# KiCad board backplane.kicad_pcb (continued)
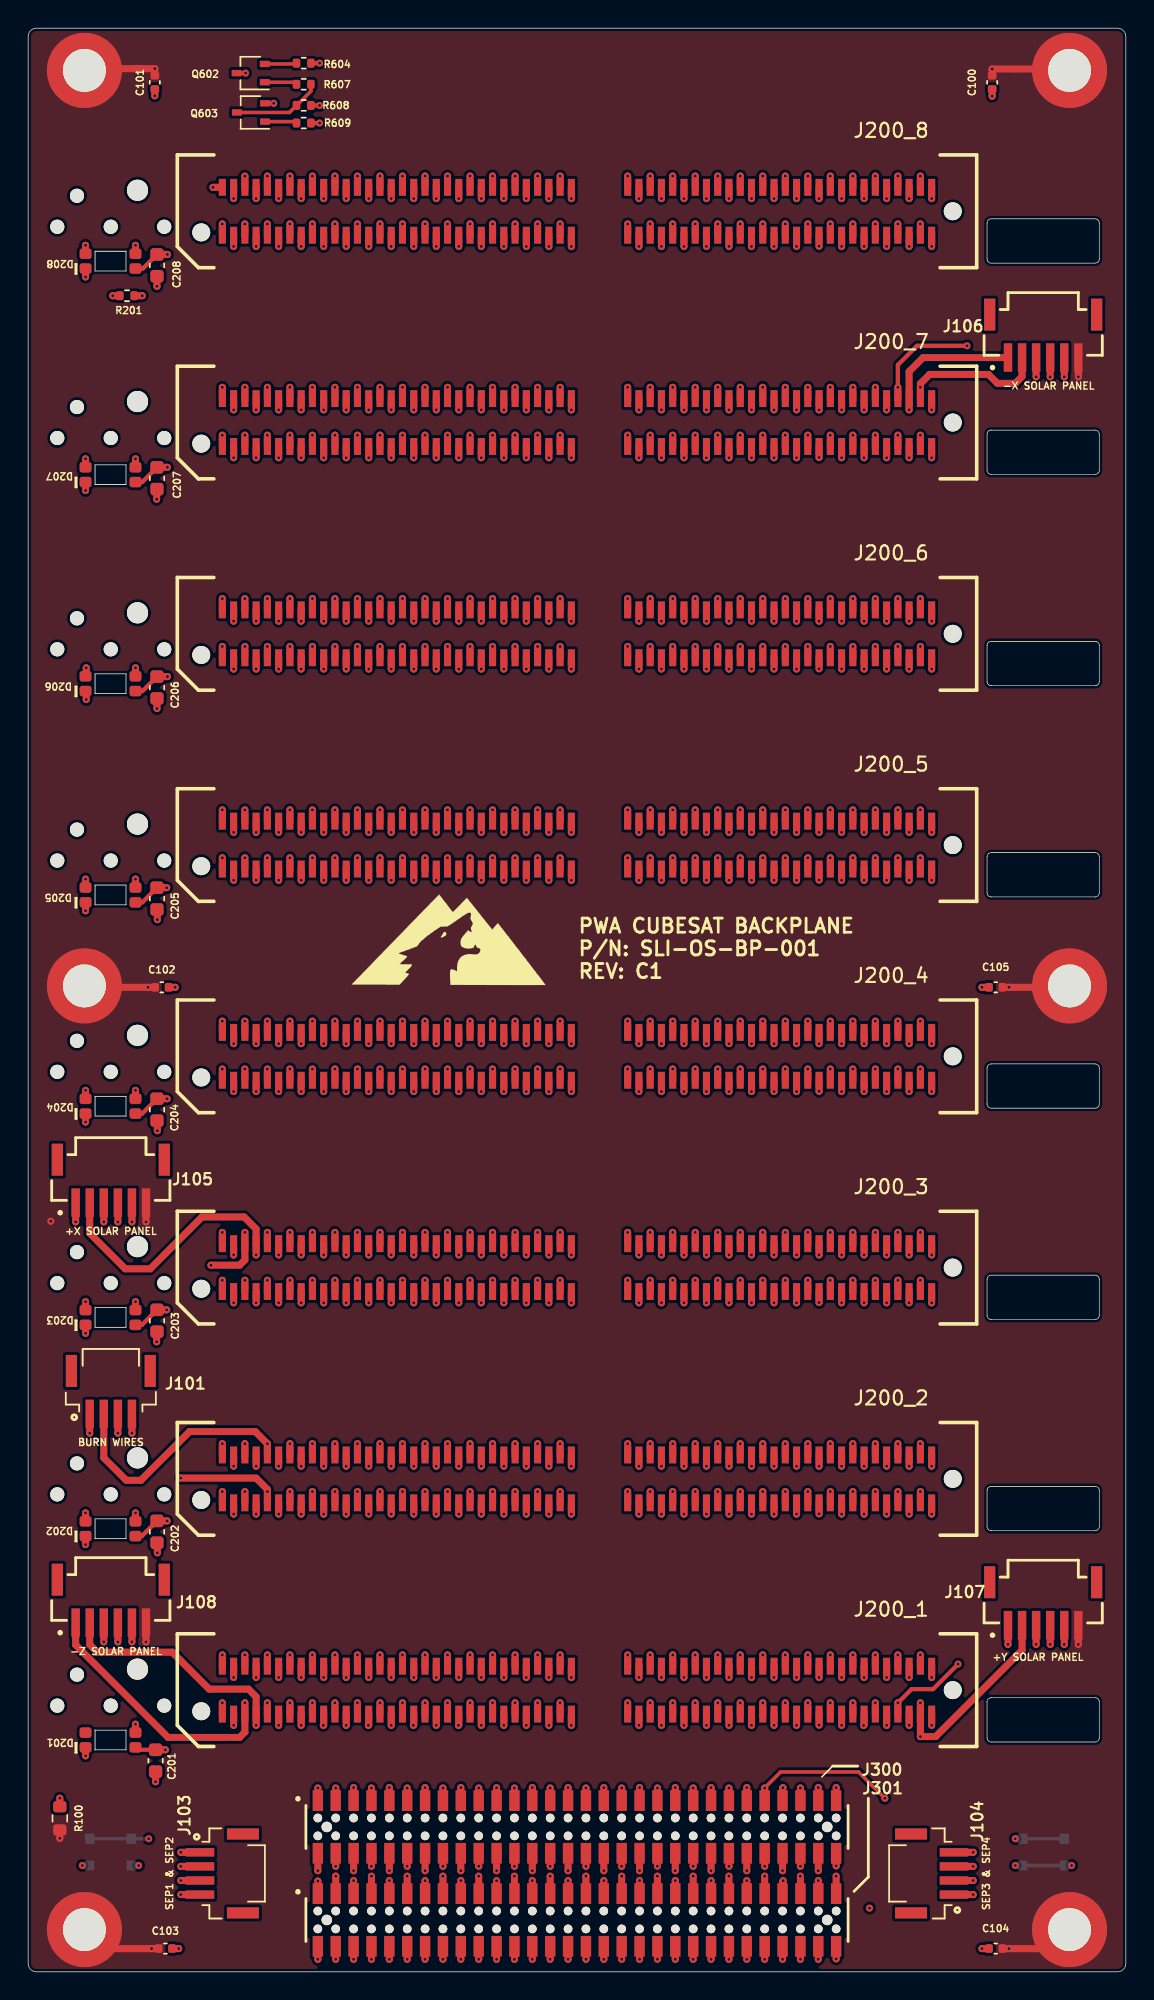
[diagram p0: board, top side]
## Routing (per net, layer and track width the routed paths; a pad name or vN(x,y) marks a point on that pad's centre or on a via; arc(x,y) is an arc through that point) (continued)
/H1-11: length 125.8
  Top w0.5: v1(25,124.1) 25,123.2 ; v1(25,19.1) 25,18.2 ; v1(25,94.1) 25,93.2 ; v1(25,64.1) 25,63.2 ; v1(25,49.1) 25,48.2 ; v1(25,109.1) 25,108.2 ; v1(25,79.1) 25,78.2 ; v1(25,34.1) 25,33.2 ; J300.15 v1(29.47,13.05)
  In1.Cu w0.25: v1(25,19.1) 25,17.17 29.12,13.05 v1(29.47,13.05)
  In1.Cu w0.5: v1(25,19.1) 25,21.3 25.8,22.1 25.8,31.5 25,32.3 v1(25,34.1) 25,36.3 25.8,37.1 25.8,46.5 ; v1(25,124.1) 25,122.3 25.8,121.5 25.8,112.1 25,111.3 v1(25,109.1) 25,107.3 25.8,106.5 25.8,97.1 25,96.3 v1(25,94.1) 25,92.3 25.8,91.5 25.8,82.1 25,81.3 v1(25,79.1) 25,77.3 25.8,76.5 25.8,67.1 25,66.3 v1(25,64.1) 25,62.3 25.8,61.5 25.8,52.1 25,51.3 v1(25,49.1) 25,47.3 25.8,46.5
/H1-12: length 134.5
  Top w0.5: v1(25,22.5) 25,21.6 ; J300.16 v1(29.47,7.49) ; v1(25,97.5) 25,96.6 ; v1(25,67.5) 25,66.6 ; v1(25,82.5) 25,81.6 ; v1(25,52.5) 25,51.6 ; v1(25,37.5) 25,36.6 ; v1(25,112.5) 25,111.6 ; v1(25,127.5) 25,126.6
  In3.Cu w0.25: v1(29.47,7.49) 28.84,8.13 28.84,15.18 26.38,17.64 26.38,17.96 25.58,18.76 25.58,19.38 25,19.95 v1(25,22.5)
  In3.Cu w0.5: v1(25,22.5) 25,32.87 25.8,33.67 25.8,34.65 25,35.5 v1(25,37.5) 25,47.87 25.8,48.67 25.8,49.65 25,50.5 v1(25,52.5) 25,62.87 25.8,63.67 25.8,64.65 25,65.5 v1(25,67.5) 25,77.87 25.8,78.67 25.8,79.65 25,80.5 v1(25,82.5) 25,92.87 25.8,93.67 25.8,94.65 25,95.5 v1(25,97.5) 25,107.87 25.8,108.67 25.8,109.65 25,110.5 v1(25,112.5) 25,122.87 25.8,123.67 25.8,124.65 25,125.5 v1(25,127.5)
/H1-13: length 125.5
  Top w0.5: v1(26.6,124.1) 26.6,123.2 ; v1(26.6,19.1) 26.6,18.2 ; J300.17 v1(30.75,13.08) ; v1(26.6,79.1) 26.6,78.2 ; v1(26.6,94.1) 26.6,93.2 ; v1(26.6,109.1) 26.6,108.2 ; v1(26.6,64.1) 26.6,63.2 ; v1(26.6,49.1) 26.6,48.2 ; v1(26.6,34.1) 26.6,33.2
  In1.Cu w0.25: v1(30.75,13.08) 26.6,17.23 v1(26.6,19.1)
  In1.Cu w0.5: 27.4,46.5 27.4,37.1 26.6,36.3 v1(26.6,34.1) 26.6,32.3 27.4,31.5 27.4,22.1 26.6,21.3 v1(26.6,19.1) ; v1(26.6,124.1) 26.6,122.3 27.4,121.5 27.4,112.1 26.6,111.3 v1(26.6,109.1) 26.6,107.3 27.4,106.5 27.4,97.1 26.6,96.3 v1(26.6,94.1) 26.6,92.3 27.4,91.5 27.4,82.1 26.6,81.3 v1(26.6,79.1) 26.6,77.3 27.4,76.5 27.4,67.1 26.6,66.3 v1(26.6,64.1) 26.6,62.3 27.4,61.5 27.4,52.1 26.6,51.3 v1(26.6,49.1) 26.6,47.3 27.4,46.5
/H1-14: length 135
  Top w0.5: v1(26.6,22.5) 26.6,21.6 ; v1(26.6,127.5) 26.6,126.6 ; v1(26.6,112.5) 26.6,111.6 ; v1(26.6,52.5) 26.6,51.6 ; v1(26.6,37.5) 26.6,36.6 ; v1(26.6,67.5) 26.6,66.6 ; v1(26.6,97.5) 26.6,96.6 ; J300.18 v1(30.75,7.18) ; v1(26.6,82.5) 26.6,81.6
  In3.Cu w0.25: v1(30.75,7.18) 30.11,7.81 30.11,15.53 27.95,17.69 27.95,18.01 27.18,18.79 27.18,19.38 26.6,19.95 v1(26.6,22.5)
  In3.Cu w0.5: v1(26.6,22.5) 26.6,32.87 27.4,33.67 27.4,34.65 26.6,35.5 v1(26.6,37.5) 26.6,47.87 27.4,48.67 27.4,49.65 26.6,50.5 v1(26.6,52.5) 26.6,62.87 27.4,63.67 27.4,64.65 26.6,65.5 v1(26.6,67.5) 26.6,77.87 27.4,78.67 27.4,79.65 26.6,80.5 v1(26.6,82.5) 26.6,92.87 27.4,93.67 27.4,94.65 26.6,95.5 v1(26.6,97.5) 26.6,107.87 27.4,108.67 27.4,109.65 26.6,110.5 v1(26.6,112.5) 26.6,122.87 27.4,123.67 27.4,124.65 26.6,125.5 v1(26.6,127.5)
/H1-16: length 134.2
  Top w0.5: v1(28.2,22.5) 28.2,21.6 ; J300.20 v1(32.02,7.49) ; v1(28.2,82.5) 28.2,81.6 ; v1(28.2,67.5) 28.2,66.6 ; v1(28.2,127.5) 28.2,126.6 ; v1(28.2,97.5) 28.2,96.6 ; v1(28.2,37.5) 28.2,36.6 ; v1(28.2,112.5) 28.2,111.6 ; v1(28.2,52.5) 28.2,51.6
  In3.Cu w0.25: v1(32.02,7.49) 31.38,8.13 31.38,15.42 29.58,17.22 29.58,18.06 28.78,18.86 28.78,19.38 28.2,19.95 v1(28.2,22.5)
  In3.Cu w0.5: v1(28.2,22.5) 28.2,32.87 29,33.67 29,34.65 28.2,35.5 v1(28.2,37.5) 28.2,47.87 29,48.67 29,49.65 28.2,50.5 v1(28.2,52.5) 28.2,62.87 29,63.67 29,64.65 28.2,65.5 v1(28.2,67.5) 28.2,77.87 29,78.67 29,79.65 28.2,80.5 v1(28.2,82.5) 28.2,92.87 29,93.67 29,94.65 28.2,95.5 v1(28.2,97.5) 28.2,107.87 29,108.67 29,109.65 28.2,110.5 v1(28.2,112.5) 28.2,122.87 29,123.67 29,124.65 28.2,125.5 v1(28.2,127.5)
/H1-17: length 125.2
  Top w0.5: v1(29.8,124.1) 29.8,123.2 ; v1(29.8,19.1) 29.8,18.2 ; v1(29.8,49.1) 29.8,48.2 ; J300.21 v1(33.28,13.07) ; v1(29.8,109.1) 29.8,108.2 ; v1(29.8,64.1) 29.8,63.2 ; v1(29.8,79.1) 29.8,78.2 ; v1(29.8,34.1) 29.8,33.2 ; v1(29.8,94.1) 29.8,93.2
  In1.Cu w0.25: v1(29.8,19.1) 29.8,16.56 v1(33.28,13.07)
  In1.Cu w0.5: v1(29.8,124.1) 29.8,122.3 30.6,121.5 30.6,112.1 29.8,111.3 v1(29.8,109.1) 29.8,107.3 30.6,106.5 30.6,97.1 29.8,96.3 v1(29.8,94.1) 29.8,92.3 30.6,91.5 30.6,82.1 29.8,81.3 v1(29.8,79.1) 29.8,77.3 30.6,76.5 30.6,67.1 29.8,66.3 v1(29.8,64.1) 29.8,62.3 30.6,61.5 30.6,52.1 29.8,51.3 v1(29.8,49.1) 29.8,47.3 30.6,46.5 ; v1(29.8,19.1) 29.8,21.3 30.6,22.1 30.6,31.5 29.8,32.3 v1(29.8,34.1) 29.8,36.3 30.6,37.1 30.6,46.5
/H1-18: length 134.7
  Top w0.5: v1(29.8,22.5) 29.8,21.6 ; v1(29.8,127.5) 29.8,126.6 ; v1(29.8,82.5) 29.8,81.6 ; v1(29.8,67.5) 29.8,66.6 ; v1(29.8,37.5) 29.8,36.6 ; v1(29.8,97.5) 29.8,96.6 ; v1(29.8,52.5) 29.8,51.6 ; J300.22 v1(33.28,7.18) ; v1(29.8,112.5) 29.8,111.6
  In3.Cu w0.25: v1(29.8,22.5) 29.8,19.95 30.38,19.38 30.38,18.75 31.19,17.94 31.19,17.66 32.65,16.19 32.65,7.81 v1(33.28,7.18)
  In3.Cu w0.5: v1(29.8,22.5) 29.8,32.87 30.6,33.67 30.6,34.65 29.8,35.5 v1(29.8,37.5) 29.8,47.87 30.6,48.67 30.6,49.65 29.8,50.5 v1(29.8,52.5) 29.8,62.87 30.6,63.67 30.6,64.65 29.8,65.5 v1(29.8,67.5) 29.8,77.87 30.6,78.67 30.6,79.65 29.8,80.5 v1(29.8,82.5) 29.8,92.87 30.6,93.67 30.6,94.65 29.8,95.5 v1(29.8,97.5) 29.8,107.87 30.6,108.67 30.6,109.65 29.8,110.5 v1(29.8,112.5) 29.8,122.87 30.6,123.67 30.6,124.65 29.8,125.5 v1(29.8,127.5)
/H1-19: length 125.1
  Top w0.5: v1(31.4,124.1) 31.4,123.2 ; v1(31.4,19.1) 31.4,18.2 ; v1(31.4,64.1) 31.4,63.2 ; J300.23 v1(34.56,13.05) ; v1(31.4,79.1) 31.4,78.2 ; v1(31.4,34.1) 31.4,33.2 ; v1(31.4,94.1) 31.4,93.2 ; v1(31.4,109.1) 31.4,108.2 ; v1(31.4,49.1) 31.4,48.2
  In1.Cu w0.25: v1(34.56,13.05) 31.4,16.2 v1(31.4,19.1)
  In1.Cu w0.5: v1(31.4,124.1) 31.4,122.3 32.2,121.5 32.2,112.1 31.4,111.3 v1(31.4,109.1) 31.4,107.3 32.2,106.5 32.2,97.1 31.4,96.3 v1(31.4,94.1) 31.4,92.3 32.2,91.5 32.2,82.1 31.4,81.3 v1(31.4,79.1) 31.4,77.3 32.2,76.5 32.2,67.1 31.4,66.3 v1(31.4,64.1) 31.4,62.3 32.2,61.5 32.2,52.1 31.4,51.3 v1(31.4,49.1) 31.4,47.3 32.2,46.5 ; v1(31.4,19.1) 31.4,21.3 32.2,22.1 32.2,31.5 31.4,32.3 v1(31.4,34.1) 31.4,36.3 32.2,37.1 32.2,46.5
/H1-20: length 134
  Top w0.5: v1(31.4,22.5) 31.4,21.6 ; J300.24 v1(34.56,7.49) ; v1(31.4,67.5) 31.4,66.6 ; v1(31.4,127.5) 31.4,126.6 ; v1(31.4,97.5) 31.4,96.6 ; v1(31.4,112.5) 31.4,111.6 ; v1(31.4,52.5) 31.4,51.6 ; v1(31.4,37.5) 31.4,36.6 ; v1(31.4,82.5) 31.4,81.6
  In3.Cu w0.25: v1(31.4,22.5) 31.4,19.95 31.98,19.38 31.98,18.83 32.78,18.03 32.78,17.67 33.92,16.53 33.92,8.13 v1(34.56,7.49)
  In3.Cu w0.5: v1(31.4,22.5) 31.4,32.87 32.2,33.67 32.2,34.65 31.4,35.5 v1(31.4,37.5) 31.4,47.87 32.2,48.67 32.2,49.65 31.4,50.5 v1(31.4,52.5) 31.4,62.87 32.2,63.67 32.2,64.65 31.4,65.5 v1(31.4,67.5) 31.4,77.87 32.2,78.67 32.2,79.65 31.4,80.5 v1(31.4,82.5) 31.4,92.87 32.2,93.67 32.2,94.65 31.4,95.5 v1(31.4,97.5) 31.4,107.87 32.2,108.67 32.2,109.65 31.4,110.5 v1(31.4,112.5) 31.4,122.87 32.2,123.67 32.2,124.65 31.4,125.5 v1(31.4,127.5)
/H1-21: length 124.9
  Top w0.5: v1(33,19.1) 33,18.2 ; v1(33,34.1) 33,33.2 ; v1(33,49.1) 33,48.2 ; J300.25 v1(35.83,13.08) ; v1(33,94.1) 33,93.2 ; v1(33,124.1) 33,123.2 ; v1(33,79.1) 33,78.2 ; v1(33,109.1) 33,108.2 ; v1(33,64.1) 33,63.2
  In1.Cu w0.25: v1(35.83,13.08) 33,15.91 v1(33,19.1)
  In1.Cu w0.5: v1(33,124.1) 33,122.3 33.8,121.5 33.8,112.1 33,111.3 v1(33,109.1) 33,107.3 33.8,106.5 33.8,97.1 33,96.3 v1(33,94.1) 33,92.3 33.8,91.5 33.8,82.1 33,81.3 v1(33,79.1) 33,77.3 33.8,76.5 33.8,67.1 33,66.3 v1(33,64.1) 33,62.3 33.8,61.5 33.8,52.1 33,51.3 v1(33,49.1) 33,47.3 33.8,46.5 ; v1(33,19.1) 33,21.3 33.8,22.1 33.8,31.5 33,32.3 v1(33,34.1) 33,36.3 33.8,37.1 33.8,46.5
/H1-22: length 134.5
  Top w0.5: v1(33,22.5) 33,21.6 ; v1(33,37.5) 33,36.6 ; v1(33,127.5) 33,126.6 ; v1(33,52.5) 33,51.6 ; v1(33,82.5) 33,81.6 ; v1(33,112.5) 33,111.6 ; v1(33,67.5) 33,66.6 ; J300.26 v1(35.83,7.18) ; v1(33,97.5) 33,96.6
  In3.Cu w0.25: v1(33,22.5) 33,19.95 33.58,19.38 33.58,18.96 34.38,18.16 34.38,17.64 35.19,16.83 35.19,7.81 v1(35.83,7.18)
  In3.Cu w0.5: v1(33,22.5) 33,32.87 33.8,33.67 33.8,34.65 33,35.5 v1(33,37.5) 33,47.87 33.8,48.67 33.8,49.65 33,50.5 v1(33,52.5) 33,62.87 33.8,63.67 33.8,64.65 33,65.5 v1(33,67.5) 33,77.87 33.8,78.67 33.8,79.65 33,80.5 v1(33,82.5) 33,92.87 33.8,93.67 33.8,94.65 33,95.5 v1(33,97.5) 33,107.87 33.8,108.67 33.8,109.65 33,110.5 v1(33,112.5) 33,122.87 33.8,123.67 33.8,124.65 33,125.5 v1(33,127.5)
/H1-23: length 124.8
  Top w0.5: v1(34.6,19.1) 34.6,18.2 ; v1(34.6,124.1) 34.6,123.2 ; v1(34.6,79.1) 34.6,78.2 ; v1(34.6,49.1) 34.6,48.2 ; J300.27 v1(37.09,13.05) ; v1(34.6,109.1) 34.6,108.2 ; v1(34.6,34.1) 34.6,33.2 ; v1(34.6,94.1) 34.6,93.2 ; v1(34.6,64.1) 34.6,63.2
  In1.Cu w0.25: v1(37.09,13.05) 34.6,15.54 v1(34.6,19.1)
  In1.Cu w0.5: 35.4,46.5 35.4,37.1 34.6,36.3 v1(34.6,34.1) 34.6,32.3 35.4,31.5 35.4,22.1 34.6,21.3 v1(34.6,19.1) ; v1(34.6,124.1) 34.6,122.3 35.4,121.5 35.4,112.1 34.6,111.3 v1(34.6,109.1) 34.6,107.3 35.4,106.5 35.4,97.1 34.6,96.3 v1(34.6,94.1) 34.6,92.3 35.4,91.5 35.4,82.1 34.6,81.3 v1(34.6,79.1) 34.6,77.3 35.4,76.5 35.4,67.1 34.6,66.3 v1(34.6,64.1) 34.6,62.3 35.4,61.5 35.4,52.1 34.6,51.3 v1(34.6,49.1) 34.6,47.3 35.4,46.5
/H1-24: length 133.7
  Top w0.5: v1(34.6,22.5) 34.6,21.6 ; J300.28 v1(37.09,7.49) ; v1(34.6,52.5) 34.6,51.6 ; v1(34.6,82.5) 34.6,81.6 ; v1(34.6,67.5) 34.6,66.6 ; v1(34.6,97.5) 34.6,96.6 ; v1(34.6,112.5) 34.6,111.6 ; v1(34.6,37.5) 34.6,36.6 ; v1(34.6,127.5) 34.6,126.6
  In3.Cu w0.25: v1(37.09,7.49) 36.46,8.13 36.46,17.3 35.18,18.58 35.18,19.38 34.6,19.95 v1(34.6,22.5)
  In3.Cu w0.5: v1(34.6,22.5) 34.6,32.87 35.4,33.67 35.4,34.65 34.6,35.5 v1(34.6,37.5) 34.6,47.87 35.4,48.67 35.4,49.65 34.6,50.5 v1(34.6,52.5) 34.6,62.87 35.4,63.67 35.4,64.65 34.6,65.5 v1(34.6,67.5) 34.6,77.87 35.4,78.67 35.4,79.65 34.6,80.5 v1(34.6,82.5) 34.6,92.87 35.4,93.67 35.4,94.65 34.6,95.5 v1(34.6,97.5) 34.6,107.87 35.4,108.67 35.4,109.65 34.6,110.5 v1(34.6,112.5) 34.6,122.87 35.4,123.67 35.4,124.65 34.6,125.5 v1(34.6,127.5)
/H1-25: length 124.9
  Top w0.5: v1(36.2,124.1) 36.2,123.2 ; v1(36.2,19.1) 36.2,18.2 ; v1(36.2,49.1) 36.2,48.2 ; v1(36.2,94.1) 36.2,93.2 ; J300.29 v1(38.36,13.08) ; v1(36.2,109.1) 36.2,108.2 ; v1(36.2,34.1) 36.2,33.2 ; v1(36.2,64.1) 36.2,63.2 ; v1(36.2,79.1) 36.2,78.2
  In1.Cu w0.25: v1(36.2,19.1) 36.2,15.25 v1(38.36,13.08)
  In1.Cu w0.5: 36.2,49.15 36.2,46.78 37,45.98 37,37.1 36.2,36.3 v1(36.2,34.1) 36.2,31.73 37,30.93 37,22.1 36.2,21.3 v1(36.2,19.1) ; 36.2,64.17 36.2,61.81 37,61.01 37,52.1 36.2,51.3 v1(36.2,49.1) ; 36.2,109.12 36.2,106.76 37,105.96 37,97.1 36.2,96.3 v1(36.2,94.1) ; v1(36.2,109.1) 36.2,111.3 37,112.1 37,120.93 36.2,121.73 v1(36.2,124.1) ; 36.2,79.2 36.2,76.83 37,76.03 37,67.1 36.2,66.3 v1(36.2,64.1) ; 36.2,94.12 36.2,91.76 37,90.96 37,82.1 36.2,81.3 v1(36.2,79.1)
/H1-26: length 134.2
  Top w0.5: v1(36.2,127.5) 36.2,126.6 ; v1(36.2,22.5) 36.2,21.6 ; J300.30 v1(38.36,7.18) ; v1(36.2,37.5) 36.2,36.6 ; v1(36.2,82.5) 36.2,81.6 ; v1(36.2,52.5) 36.2,51.6 ; v1(36.2,67.5) 36.2,66.6 ; v1(36.2,97.5) 36.2,96.6 ; v1(36.2,112.5) 36.2,111.6
  In3.Cu w0.25: v1(36.2,22.5) 36.2,19.95 36.78,19.38 36.78,18.8 37.73,17.84 37.73,7.81 v1(38.36,7.18)
  In3.Cu w0.5: v1(36.2,22.5) 36.2,32.87 37,33.67 37,34.65 36.2,35.5 v1(36.2,37.5) 36.2,47.87 37,48.67 37,49.65 36.2,50.5 v1(36.2,52.5) 36.2,62.87 37,63.67 37,64.65 36.2,65.5 v1(36.2,67.5) 36.2,77.87 37,78.67 37,79.65 36.2,80.5 v1(36.2,82.5) 36.2,92.87 37,93.67 37,94.65 36.2,95.5 v1(36.2,97.5) 36.2,107.87 37,108.67 37,109.65 36.2,110.5 v1(36.2,112.5) 36.2,122.87 37,123.67 37,124.65 36.2,125.5 v1(36.2,127.5)
/H1-27: length 124.8
  Top w0.5: v1(37.8,124.1) 37.8,123.2 ; v1(37.8,19.1) 37.8,18.2 ; v1(37.8,34.1) 37.8,33.2 ; v1(37.8,109.1) 37.8,108.2 ; v1(37.8,79.1) 37.8,78.2 ; v1(37.8,94.1) 37.8,93.2 ; v1(37.8,64.1) 37.8,63.2 ; v1(37.8,49.1) 37.8,48.2 ; J300.31 v1(39.64,13.05)
  In1.Cu w0.25: v1(39.64,13.05) 37.8,14.88 v1(37.8,19.1)
  In1.Cu w0.5: 37.8,49.15 37.8,46.58 38.6,45.78 38.6,37.1 37.8,36.3 v1(37.8,34.1) 37.8,31.53 38.6,30.73 38.6,22.1 37.8,21.3 v1(37.8,19.1) ; v1(37.8,79.1) 37.8,81.3 38.6,82.1 38.6,90.76 37.8,91.56 37.8,94.12 ; 37.8,64.17 37.8,61.61 38.6,60.81 38.6,52.1 37.8,51.3 v1(37.8,49.1) ; 37.8,79.2 37.8,76.63 38.6,75.83 38.6,67.1 37.8,66.3 v1(37.8,64.1) ; 37.8,109.12 37.8,106.56 38.6,105.76 38.6,97.1 37.8,96.3 v1(37.8,94.1) ; v1(37.8,124.1) 37.8,121.53 38.6,120.73 38.6,112.1 37.8,111.3 v1(37.8,109.1)
/H1-28: length 133.6
  Top w0.5: v1(37.8,22.5) 37.8,21.6 ; J300.32 v1(39.64,7.49) ; v1(37.8,97.5) 37.8,96.6 ; v1(37.8,112.5) 37.8,111.6 ; v1(37.8,127.5) 37.8,126.6 ; v1(37.8,37.5) 37.8,36.6 ; v1(37.8,82.5) 37.8,81.6 ; v1(37.8,67.5) 37.8,66.6 ; v1(37.8,52.5) 37.8,51.6
  In3.Cu w0.25: v1(37.8,22.5) 37.8,19.95 39.18,18.58 39.18,17.22 39,17.04 39,8.13 v1(39.64,7.49)
  In3.Cu w0.5: v1(37.8,22.5) 37.8,32.87 38.6,33.67 38.6,34.65 37.8,35.5 v1(37.8,37.5) 37.8,47.87 38.6,48.67 38.6,49.65 37.8,50.5 v1(37.8,52.5) 37.8,62.87 38.6,63.67 38.6,64.65 37.8,65.5 v1(37.8,67.5) 37.8,77.87 38.6,78.67 38.6,79.65 37.8,80.5 v1(37.8,82.5) 37.8,92.87 38.6,93.67 38.6,94.65 37.8,95.5 v1(37.8,97.5) 37.8,107.87 38.6,108.67 38.6,109.65 37.8,110.5 v1(37.8,112.5) 37.8,122.87 38.6,123.67 38.6,124.65 37.8,125.5 v1(37.8,127.5)
/H1-30: length 135
  Top w0.5: v1(42.6,22.5) 42.6,21.6 ; v1(42.6,97.5) 42.6,96.6 ; J300.34 v1(40.91,7.18) ; v1(42.6,37.5) 42.6,36.6 ; v1(42.6,67.5) 42.6,66.6 ; v1(42.6,112.5) 42.6,111.6 ; v1(42.6,127.5) 42.6,126.6 ; v1(42.6,52.5) 42.6,51.6 ; v1(42.6,82.5) 42.6,81.6
  In3.Cu w0.25: v1(42.6,22.5) 42.6,19.95 43.18,19.38 43.18,18.18 40.27,15.27 40.27,7.81 v1(40.91,7.18)
  In3.Cu w0.5: v1(42.6,22.5) 42.6,32.87 43.4,33.67 43.4,34.65 42.6,35.5 v1(42.6,37.5) 42.6,47.87 43.4,48.67 43.4,49.65 42.6,50.5 v1(42.6,52.5) 42.6,62.87 43.4,63.67 43.4,64.65 42.6,65.5 v1(42.6,67.5) 42.6,77.87 43.4,78.67 43.4,79.65 42.6,80.5 v1(42.6,82.5) 42.6,92.87 43.4,93.67 43.4,94.65 42.6,95.5 v1(42.6,97.5) 42.6,107.87 43.4,108.67 43.4,109.65 42.6,110.5 v1(42.6,112.5) 42.6,122.87 43.4,123.67 43.4,124.65 42.6,125.5 v1(42.6,127.5)
/H1-31: length 124.6
  Top w0.5: v1(44.2,19.1) 44.2,18.2 ; v1(44.2,49.1) 44.2,48.2 ; v1(44.2,124.1) 44.2,123.2 ; v1(44.2,94.1) 44.2,93.2 ; v1(44.2,64.1) 44.2,63.2 ; v1(44.2,34.1) 44.2,33.2 ; J300.35 v1(42.17,13.05) ; v1(44.2,79.1) 44.2,78.2 ; v1(44.2,109.1) 44.2,108.2
  In1.Cu w0.25: v1(44.2,19.1) 44.2,15.07 v1(42.17,13.05)
  In1.Cu w0.5: v1(44.2,19.1) 44.2,21.3 45,22.1 45,31.5 44.2,32.3 v1(44.2,34.1) 44.2,36.3 45,37.1 45,46.5 ; v1(44.2,124.1) 44.2,122.3 45,121.5 45,112.1 44.2,111.3 v1(44.2,109.1) 44.2,107.3 45,106.5 45,97.1 44.2,96.3 v1(44.2,94.1) 44.2,92.3 45,91.5 45,82.1 44.2,81.3 v1(44.2,79.1) 44.2,77.3 45,76.5 45,67.1 44.2,66.3 v1(44.2,64.1) 44.2,62.3 45,61.5 45,52.1 44.2,51.3 v1(44.2,49.1) 44.2,47.3 45,46.5
/H1-33: length 124.7
  Top w0.5: v1(45.8,19.1) 45.8,18.2 ; v1(45.8,34.1) 45.8,33.2 ; v1(45.8,79.1) 45.8,78.2 ; v1(45.8,49.1) 45.8,48.2 ; v1(45.8,64.1) 45.8,63.2 ; J300.37 v1(43.44,13.08) ; v1(45.8,94.1) 45.8,93.2 ; v1(45.8,124.1) 45.8,123.2 ; v1(45.8,109.1) 45.8,108.2
  In1.Cu w0.25: v1(45.8,19.1) 45.8,15.44 v1(43.44,13.08)
  In1.Cu w0.5: 46.6,46.5 45.8,47.3 v1(45.8,49.1) 45.8,51.3 46.6,52.1 46.6,61.5 45.8,62.3 v1(45.8,64.1) 45.8,66.3 46.6,67.1 46.6,76.5 45.8,77.3 v1(45.8,79.1) 45.8,81.3 46.6,82.1 46.6,91.5 45.8,92.3 v1(45.8,94.1) 45.8,96.3 46.6,97.1 46.6,106.5 45.8,107.3 v1(45.8,109.1) 45.8,111.3 46.6,112.1 46.6,121.5 45.8,122.3 v1(45.8,124.1) ; v1(45.8,19.1) 45.8,21.3 46.6,22.1 46.6,31.5 45.8,32.3 v1(45.8,34.1) 45.8,36.3 46.6,37.1 46.6,46.5
/H1-34: length 135.3
  Top w0.5: v1(45.8,22.5) 45.8,21.6 ; v1(45.8,67.5) 45.8,66.6 ; v1(45.8,127.5) 45.8,126.6 ; v1(45.8,52.5) 45.8,51.6 ; v1(45.8,97.5) 45.8,96.6 ; v1(45.8,37.5) 45.8,36.6 ; v1(45.8,112.5) 45.8,111.6 ; v1(45.8,82.5) 45.8,81.6 ; J300.38 v1(43.44,7.18)
  In3.Cu w0.25: v1(45.8,22.5) 45.8,19.95 46.38,19.38 46.38,18.62 46.02,18.26 46.02,17.67 42.81,14.46 42.81,7.81 v1(43.44,7.18)
  In3.Cu w0.5: v1(45.8,22.5) 45.8,32.87 46.6,33.67 46.6,34.65 45.8,35.5 v1(45.8,37.5) 45.8,47.87 46.6,48.67 46.6,49.65 45.8,50.5 v1(45.8,52.5) 45.8,62.87 46.6,63.67 46.6,64.65 45.8,65.5 v1(45.8,67.5) 45.8,77.87 46.6,78.67 46.6,79.65 45.8,80.5 v1(45.8,82.5) 45.8,92.87 46.6,93.67 46.6,94.65 45.8,95.5 v1(45.8,97.5) 45.8,107.87 46.6,108.67 46.6,109.65 45.8,110.5 v1(45.8,112.5) 45.8,122.87 46.6,123.67 46.6,124.65 45.8,125.5 v1(45.8,127.5)
/H1-35: length 124.9
  Top w0.5: v1(47.4,19.1) 47.4,18.2 ; v1(47.4,49.1) 47.4,48.2 ; v1(47.4,94.1) 47.4,93.2 ; v1(47.4,64.1) 47.4,63.2 ; v1(47.4,79.1) 47.4,78.2 ; v1(47.4,109.1) 47.4,108.2 ; v1(47.4,124.1) 47.4,123.2 ; v1(47.4,34.1) 47.4,33.2 ; J300.39 v1(44.72,13.05)
  In1.Cu w0.25: v1(44.72,13.05) 47.4,15.73 v1(47.4,19.1)
  In1.Cu w0.5: 48.2,46.5 48.2,37.1 47.4,36.3 v1(47.4,34.1) 47.4,32.3 48.2,31.5 48.2,22.1 47.4,21.3 v1(47.4,19.1) ; 48.2,46.5 47.4,47.3 v1(47.4,49.1) 47.4,51.3 48.2,52.1 48.2,61.5 47.4,62.3 v1(47.4,64.1) 47.4,66.3 48.2,67.1 48.2,76.5 47.4,77.3 v1(47.4,79.1) 47.4,81.3 48.2,82.1 48.2,91.5 47.4,92.3 v1(47.4,94.1) 47.4,96.3 48.2,97.1 48.2,106.5 47.4,107.3 v1(47.4,109.1) 47.4,111.3 48.2,112.1 48.2,121.5 47.4,122.3 v1(47.4,124.1)
/H1-36: length 134.8
  Top w0.5: v1(47.4,22.5) 47.4,21.6 ; J300.40 v1(44.72,7.5) ; v1(47.4,82.5) 47.4,81.6 ; v1(47.4,37.5) 47.4,36.6 ; v1(47.4,97.5) 47.4,96.6 ; v1(47.4,67.5) 47.4,66.6 ; v1(47.4,127.5) 47.4,126.6 ; v1(47.4,112.5) 47.4,111.6 ; v1(47.4,52.5) 47.4,51.6
  In3.Cu w0.25: v1(47.4,22.5) 47.4,19.95 47.98,19.38 47.98,18.63 47.62,18.27 47.62,17.67 44.08,14.12 44.08,8.13 44.72,7.49
  In3.Cu w0.5: v1(47.4,22.5) 47.4,32.87 48.2,33.67 48.2,34.65 47.4,35.5 v1(47.4,37.5) 47.4,47.87 48.2,48.67 48.2,49.65 47.4,50.5 v1(47.4,52.5) 47.4,62.87 48.2,63.67 48.2,64.65 47.4,65.5 v1(47.4,67.5) 47.4,77.87 48.2,78.67 48.2,79.65 47.4,80.5 v1(47.4,82.5) 47.4,92.87 48.2,93.67 48.2,94.65 47.4,95.5 v1(47.4,97.5) 47.4,107.87 48.2,108.67 48.2,109.65 47.4,110.5 v1(47.4,112.5) 47.4,122.87 48.2,123.67 48.2,124.65 47.4,125.5 v1(47.4,127.5)
/H1-37: length 125
  Top w0.5: v1(49,19.1) 49,18.2 ; v1(49,94.1) 49,93.2 ; v1(49,64.1) 49,63.2 ; v1(49,34.1) 49,33.2 ; v1(49,109.1) 49,108.2 ; J300.41 v1(45.98,13.08) ; v1(49,79.1) 49,78.2 ; v1(49,49.1) 49,48.2 ; v1(49,124.1) 49,123.2
  In1.Cu w0.25: v1(45.98,13.08) 49,16.1 v1(49,19.1)
  In1.Cu w0.5: 49.8,46.5 49.8,37.1 49,36.3 v1(49,34.1) 49,32.3 49.8,31.5 49.8,22.1 49,21.3 v1(49,19.1) ; v1(49,124.1) 49,122.3 49.8,121.5 49.8,112.1 49,111.3 v1(49,109.1) 49,107.3 49.8,106.5 49.8,97.1 49,96.3 v1(49,94.1) 49,92.3 49.8,91.5 49.8,82.1 49,81.3 v1(49,79.1) 49,77.3 49.8,76.5 49.8,67.1 49,66.3 v1(49,64.1) 49,62.3 49.8,61.5 49.8,52.1 49,51.3 v1(49,49.1) 49,47.3 49.8,46.5
/H1-38: length 135.5
  Top w0.5: v1(49,22.5) 49,21.6 ; v1(49,97.5) 49,96.6 ; v1(49,82.5) 49,81.6 ; v1(49,37.5) 49,36.6 ; v1(49,112.5) 49,111.6 ; J300.42 v1(45.98,7.18) ; v1(49,52.5) 49,51.6 ; v1(49,67.5) 49,66.6 ; v1(49,127.5) 49,126.6
  In3.Cu w0.25: v1(49,22.5) 49,19.95 49.58,19.38 49.58,18.64 49.22,18.29 49.22,17.67 45.35,13.8 45.35,7.81 v1(45.98,7.18)
  In3.Cu w0.5: v1(49,22.5) 49,32.87 49.8,33.67 49.8,34.65 49,35.5 v1(49,37.5) 49,47.87 49.8,48.67 49.8,49.65 49,50.5 v1(49,52.5) 49,62.87 49.8,63.67 49.8,64.65 49,65.5 v1(49,67.5) 49,77.87 49.8,78.67 49.8,79.65 49,80.5 v1(49,82.5) 49,92.87 49.8,93.67 49.8,94.65 49,95.5 v1(49,97.5) 49,107.87 49.8,108.67 49.8,109.65 49,110.5 v1(49,112.5) 49,122.87 49.8,123.67 49.8,124.65 49,125.5 v1(49,127.5)
/H1-39: length 125.2
  Top w0.5: v1(50.6,19.1) 50.6,18.2 ; v1(50.6,49.1) 50.6,48.2 ; v1(50.6,64.1) 50.6,63.2 ; v1(50.6,34.1) 50.6,33.2 ; v1(50.6,124.1) 50.6,123.2 ; v1(50.6,79.1) 50.6,78.2 ; v1(50.6,109.1) 50.6,108.2 ; v1(50.6,94.1) 50.6,93.2 ; J300.43 v1(47.25,13.05)
  In1.Cu w0.25: v1(47.25,13.05) 50.6,16.39 v1(50.6,19.1)
  In1.Cu w0.5: 51.4,46.5 50.6,47.3 v1(50.6,49.1) 50.6,51.3 51.4,52.1 51.4,61.5 50.6,62.3 v1(50.6,64.1) 50.6,66.3 51.4,67.1 51.4,76.5 50.6,77.3 v1(50.6,79.1) 50.6,81.3 51.4,82.1 51.4,91.5 50.6,92.3 v1(50.6,94.1) 50.6,96.3 51.4,97.1 51.4,106.5 50.6,107.3 v1(50.6,109.1) 50.6,111.3 51.4,112.1 51.4,121.5 50.6,122.3 v1(50.6,124.1) ; v1(50.6,19.1) 50.6,21.3 51.4,22.1 51.4,31.5 50.6,32.3 v1(50.6,34.1) 50.6,36.3 51.4,37.1 51.4,46.5
/H1-40: length 135.1
  Top w0.5: v1(50.6,22.5) 50.6,21.6 ; J300.44 v1(47.25,7.49) ; v1(50.6,127.5) 50.6,126.6 ; v1(50.6,67.5) 50.6,66.6 ; v1(50.6,112.5) 50.6,111.6 ; v1(50.6,37.5) 50.6,36.6 ; v1(50.6,82.5) 50.6,81.6 ; v1(50.6,52.5) 50.6,51.6 ; v1(50.6,97.5) 50.6,96.6
  In3.Cu w0.25: v1(50.6,22.5) 50.6,19.95 51.18,19.38 51.18,18.66 50.82,18.3 50.82,17.47 46.62,13.27 46.62,8.13 v1(47.25,7.49)
  In3.Cu w0.5: v1(50.6,22.5) 50.6,32.87 51.4,33.67 51.4,34.65 50.6,35.5 v1(50.6,37.5) 50.6,47.87 51.4,48.67 51.4,49.65 50.6,50.5 v1(50.6,52.5) 50.6,62.87 51.4,63.67 51.4,64.65 50.6,65.5 v1(50.6,67.5) 50.6,77.87 51.4,78.67 51.4,79.65 50.6,80.5 v1(50.6,82.5) 50.6,92.87 51.4,93.67 51.4,94.65 50.6,95.5 v1(50.6,97.5) 50.6,107.87 51.4,108.67 51.4,109.65 50.6,110.5 v1(50.6,112.5) 50.6,122.87 51.4,123.67 51.4,124.65 50.6,125.5 v1(50.6,127.5)
/H1-41: length 125.3
  Top w0.5: v1(52.2,19.1) 52.2,18.2 ; v1(52.2,49.1) 52.2,48.2 ; J300.45 v1(48.53,13.08) ; v1(52.2,109.1) 52.2,108.2 ; v1(52.2,124.1) 52.2,123.2 ; v1(52.2,64.1) 52.2,63.2 ; v1(52.2,94.1) 52.2,93.2 ; v1(52.2,34.1) 52.2,33.2 ; v1(52.2,79.1) 52.2,78.2
  In1.Cu w0.25: v1(48.53,13.08) 52.2,16.76 v1(52.2,19.1)
  In1.Cu w0.5: 53,46.5 52.2,47.3 v1(52.2,49.1) 52.2,51.3 53,52.1 53,61.5 52.2,62.3 v1(52.2,64.1) 52.2,66.3 53,67.1 53,76.5 52.2,77.3 v1(52.2,79.1) 52.2,81.3 53,82.1 53,91.5 52.2,92.3 v1(52.2,94.1) 52.2,96.3 53,97.1 53,106.5 52.2,107.3 v1(52.2,109.1) 52.2,111.3 53,112.1 53,121.5 52.2,122.3 v1(52.2,124.1) ; 53,46.5 53,37.1 52.2,36.3 v1(52.2,34.1) 52.2,32.3 53,31.5 53,22.1 52.2,21.3 v1(52.2,19.1)
/H1-42: length 135.9
  Top w0.5: v1(52.2,22.5) 52.2,21.6 ; v1(52.2,52.5) 52.2,51.6 ; v1(52.2,127.5) 52.2,126.6 ; v1(52.2,67.5) 52.2,66.6 ; v1(52.2,82.5) 52.2,81.6 ; v1(52.2,112.5) 52.2,111.6 ; v1(52.2,37.5) 52.2,36.6 ; v1(52.2,97.5) 52.2,96.6 ; J300.46 v1(48.53,7.18)
  In3.Cu w0.25: v1(52.2,22.5) 52.2,19.95 52.78,19.38 52.78,18.61 52.42,18.25 52.42,17.67 51.68,16.92 51.51,16.92 47.89,13.3 47.89,7.81 v1(48.53,7.18)
  In3.Cu w0.5: v1(52.2,22.5) 52.2,32.87 53,33.67 53,34.65 52.2,35.5 v1(52.2,37.5) 52.2,47.87 53,48.67 53,49.65 52.2,50.5 v1(52.2,52.5) 52.2,62.87 53,63.67 53,64.65 52.2,65.5 v1(52.2,67.5) 52.2,77.87 53,78.67 53,79.65 52.2,80.5 v1(52.2,82.5) 52.2,92.87 53,93.67 53,94.65 52.2,95.5 v1(52.2,97.5) 52.2,107.87 53,108.67 53,109.65 52.2,110.5 v1(52.2,112.5) 52.2,122.87 53,123.67 53,124.65 52.2,125.5 v1(52.2,127.5)
/H1-43: length 125.4
  Top w0.5: v1(53.8,19.1) 53.8,18.2 ; v1(53.8,109.1) 53.8,108.2 ; J300.47 v1(49.8,13.05) ; v1(53.8,124.1) 53.8,123.2 ; v1(53.8,94.1) 53.8,93.2 ; v1(53.8,49.1) 53.8,48.2 ; v1(53.8,79.1) 53.8,78.2 ; v1(53.8,64.1) 53.8,63.2 ; v1(53.8,34.1) 53.8,33.2
  In1.Cu w0.25: v1(49.8,13.05) 53.8,17.05 v1(53.8,19.1)
  In1.Cu w0.5: 54.6,46.5 54.6,37.1 53.8,36.3 v1(53.8,34.1) 53.8,32.3 54.6,31.5 54.6,22.1 53.8,21.3 v1(53.8,19.1) ; v1(53.8,124.1) 53.8,122.3 54.6,121.5 54.6,112.1 53.8,111.3 v1(53.8,109.1) 53.8,107.3 54.6,106.5 54.6,97.1 53.8,96.3 v1(53.8,94.1) 53.8,92.3 54.6,91.5 54.6,82.1 53.8,81.3 v1(53.8,79.1) 53.8,77.3 54.6,76.5 54.6,67.1 53.8,66.3 v1(53.8,64.1) 53.8,62.3 54.6,61.5 54.6,52.1 53.8,51.3 v1(53.8,49.1) 53.8,47.3 54.6,46.5
/H1-44: length 135.6
  Top w0.5: v1(53.8,22.5) 53.8,21.6 ; J300.48 v1(49.8,7.49) ; v1(53.8,97.5) 53.8,96.6 ; v1(53.8,112.5) 53.8,111.6 ; v1(53.8,67.5) 53.8,66.6 ; v1(53.8,37.5) 53.8,36.6 ; v1(53.8,52.5) 53.8,51.6 ; v1(53.8,82.5) 53.8,81.6 ; v1(53.8,127.5) 53.8,126.6
  In3.Cu w0.25: v1(53.8,22.5) 53.8,19.95 54.38,19.38 54.38,18.72 53.58,17.92 53.58,17.22 53.28,16.92 52.81,16.92 49.16,13.27 49.16,8.13 v1(49.8,7.49)
  In3.Cu w0.5: v1(53.8,22.5) 53.8,32.87 54.6,33.67 54.6,34.65 53.8,35.5 v1(53.8,37.5) 53.8,47.87 54.6,48.67 54.6,49.65 53.8,50.5 v1(53.8,52.5) 53.8,62.87 54.6,63.67 54.6,64.65 53.8,65.5 v1(53.8,67.5) 53.8,77.87 54.6,78.67 54.6,79.65 53.8,80.5 v1(53.8,82.5) 53.8,92.87 54.6,93.67 54.6,94.65 53.8,95.5 v1(53.8,97.5) 53.8,107.87 54.6,108.67 54.6,109.65 53.8,110.5 v1(53.8,112.5) 53.8,122.87 54.6,123.67 54.6,124.65 53.8,125.5 v1(53.8,127.5)
/H1-45: length 125.6
  Top w0.5: v1(55.4,19.1) 55.4,18.2 ; v1(55.4,64.1) 55.4,63.2 ; v1(55.4,109.1) 55.4,108.2 ; v1(55.4,49.1) 55.4,48.2 ; v1(55.4,79.1) 55.4,78.2 ; v1(55.4,94.1) 55.4,93.2 ; v1(55.4,124.1) 55.4,123.2 ; J300.49 v1(51.06,13.08) ; v1(55.4,34.1) 55.4,33.2
  In1.Cu w0.25: v1(51.06,13.08) 51.06,13.11 55.4,17.45 v1(55.4,19.1)
  In1.Cu w0.5: v1(55.4,19.1) 55.4,21.3 56.2,22.1 56.2,31.5 55.4,32.3 v1(55.4,34.1) 55.4,36.3 56.2,37.1 56.2,46.5 ; v1(55.4,124.1) 55.4,122.3 56.2,121.5 56.2,112.1 55.4,111.3 v1(55.4,109.1) 55.4,107.3 56.2,106.5 56.2,97.1 55.4,96.3 v1(55.4,94.1) 55.4,92.3 56.2,91.5 56.2,82.1 55.4,81.3 v1(55.4,79.1) 55.4,77.3 56.2,76.5 56.2,67.1 55.4,66.3 v1(55.4,64.1) 55.4,62.3 56.2,61.5 56.2,52.1 55.4,51.3 v1(55.4,49.1) 55.4,47.3 56.2,46.5
/H1-46: length 136.6
  Top w0.5: v1(55.4,22.5) 55.4,21.6 ; v1(55.4,67.5) 55.4,66.6 ; v1(55.4,97.5) 55.4,96.6 ; v1(55.4,112.5) 55.4,111.6 ; v1(55.4,127.5) 55.4,126.6 ; J300.50 v1(51.06,7.18) ; v1(55.4,82.5) 55.4,81.6 ; v1(55.4,37.5) 55.4,36.6 ; v1(55.4,52.5) 55.4,51.6